# Allegro board com_v1_p3.brd (continued)
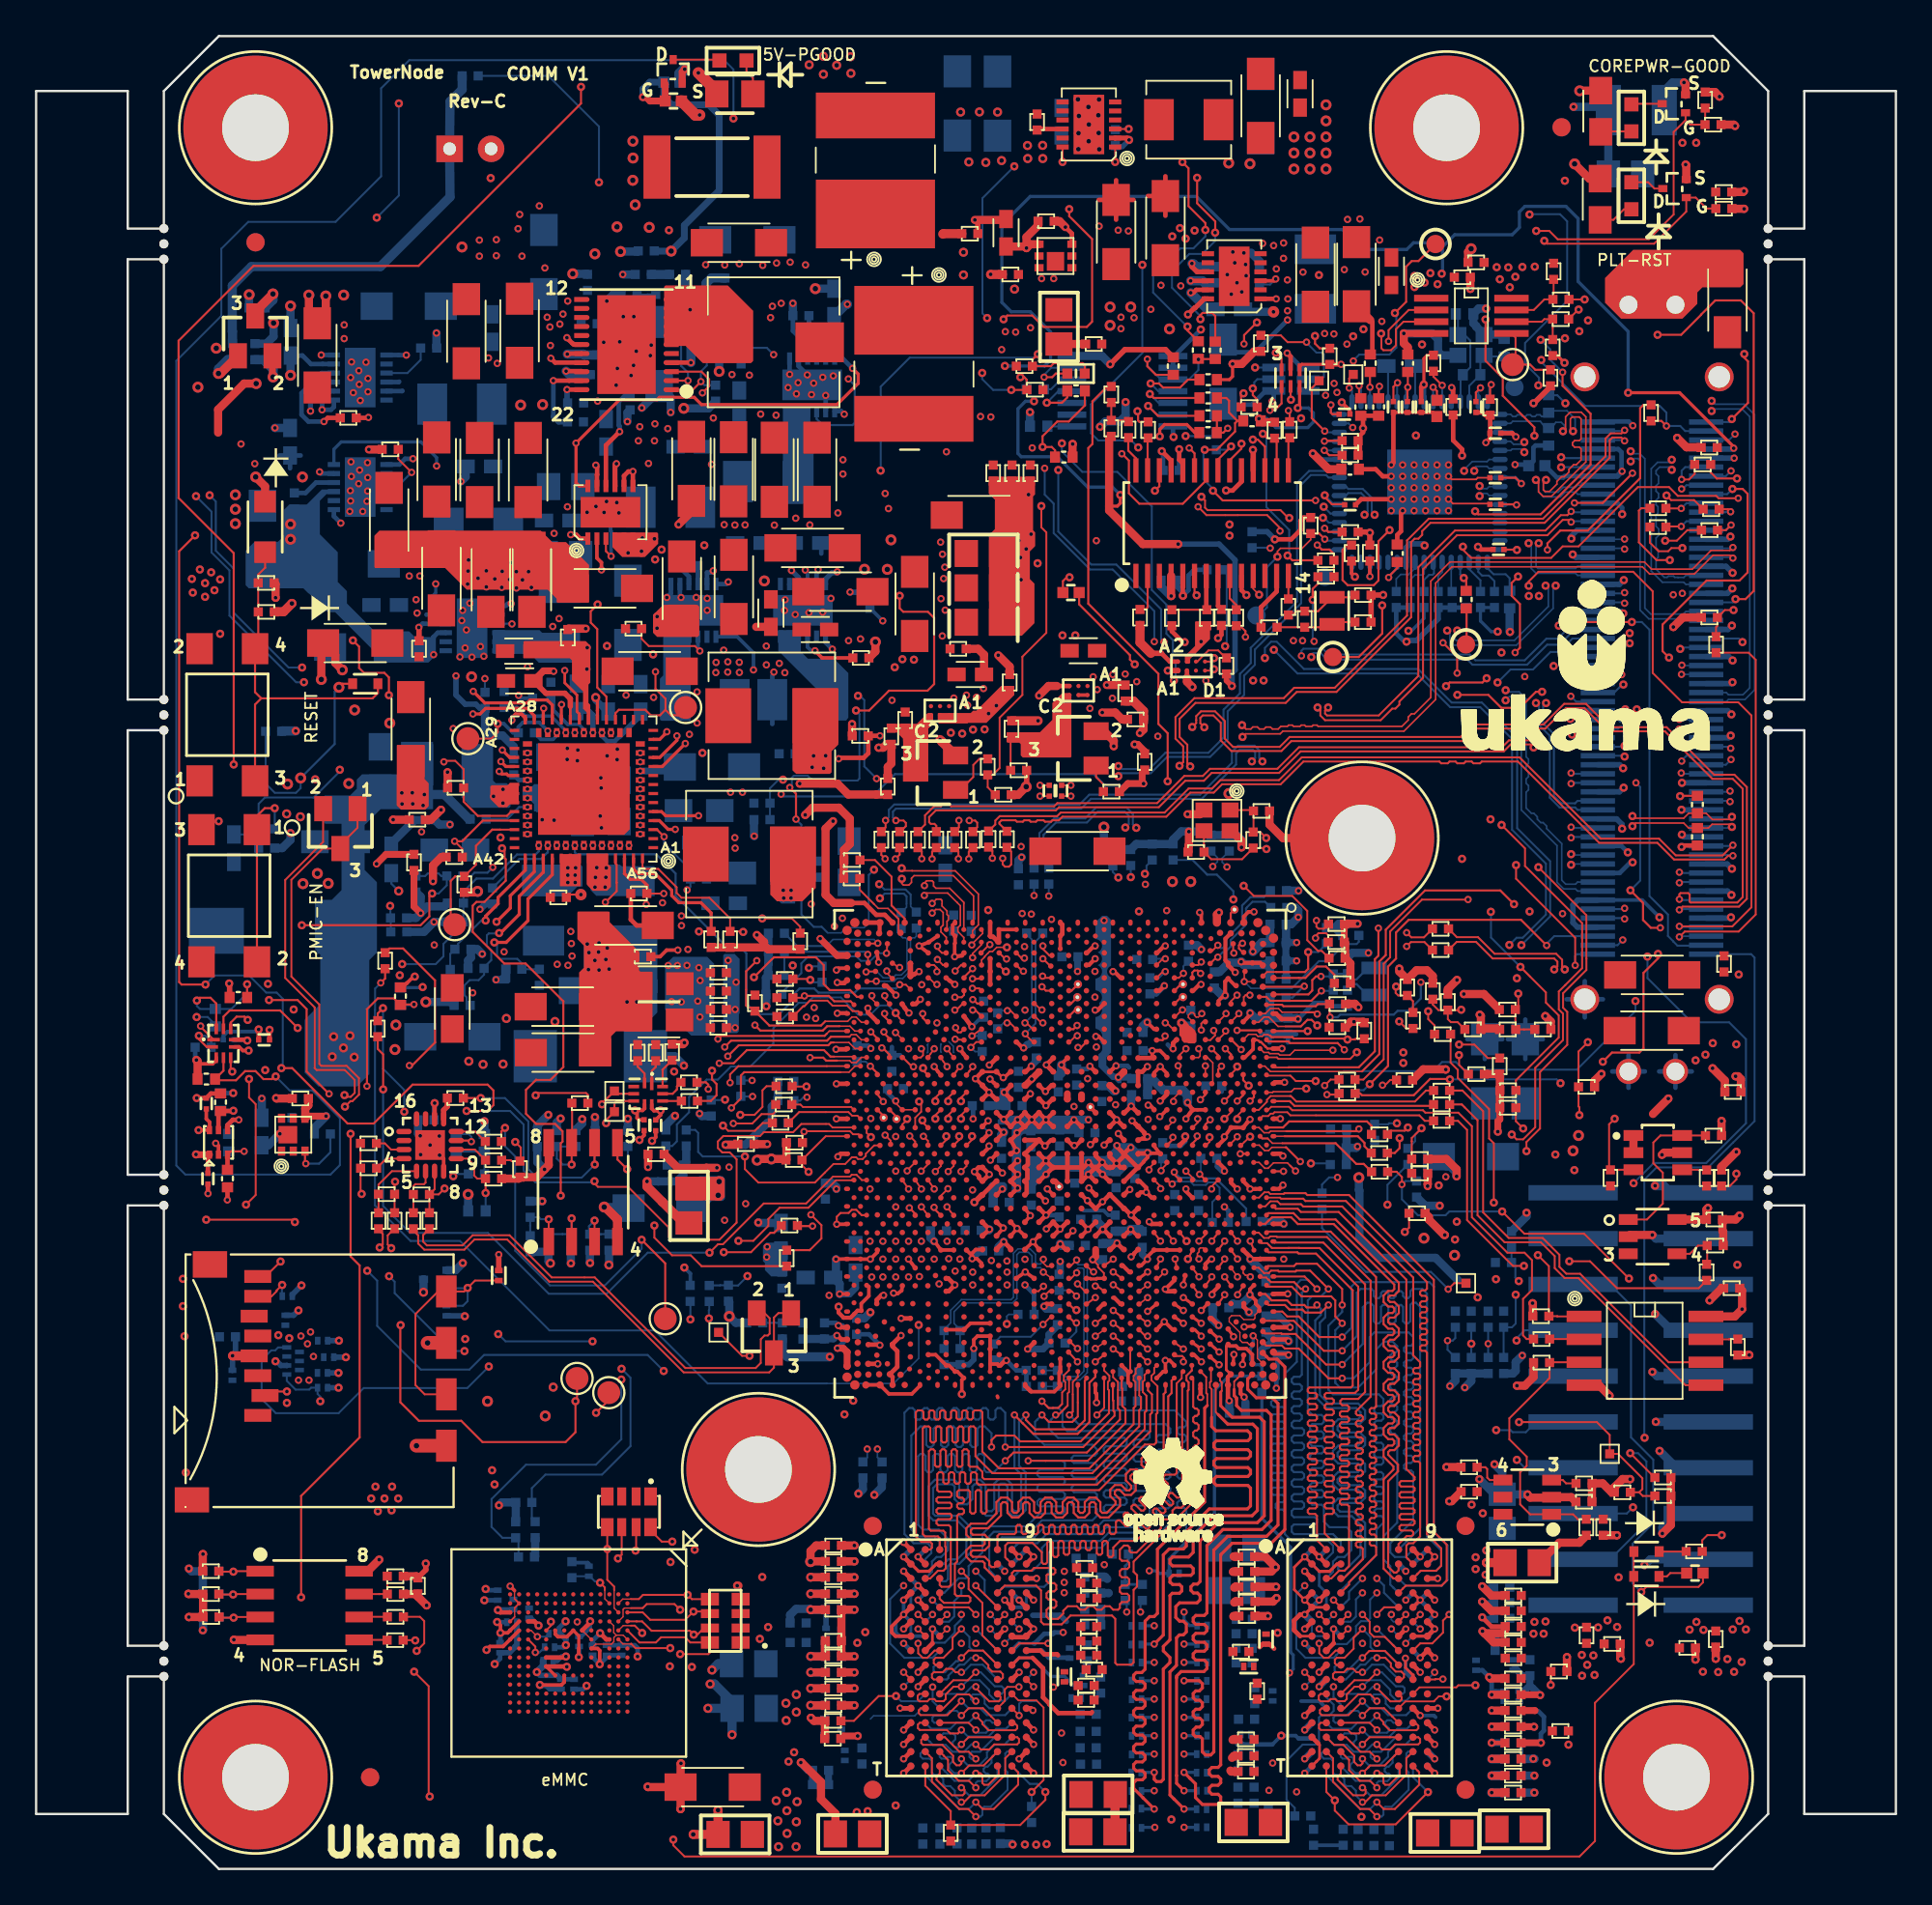
[diagram p0: board, top side]
## Routing (per net, layer and track width the routed paths; a pad name or vN(x,y) marks a point on that pad's centre or on a via; arc(x,y) is an arc through that point) (continued)
  BOTTOM w0.457: R10809.1 13.64,56.59 14.1,57.05 v1(14.1,57.42) ; R3L12.2 37.6,84.76 37.85,84.51 37.85,84.05 37.85,84.05 v5(37.85,83.01) ; C4L4.2 v5(14.1,82.8)
  BOTTOM w0.508: v2(63.98,87.37) 64.9,86.46 C2L16.2 ; v2(44.95,86.73) 44.95,86.73 44.88,86.73 C3L5.2
  vias: v1(25.73,57.17) v2(21.06,70.36) v2(21.11,69.62) v3(27.23,59.86) v3(27.23,59.36) v3(29.35,56.74) v3(30.35,56.74) v3(31.35,56.74) v3(31.85,56.74) v3(33.48,59.86) v3(33.48,59.36) v4(54.94,95.54) v4(54.95,94.81) v4(55.78,95.54) v4(55.78,94.81) v5(33.07,95.78) v5(33.08,94.84) v5(33.07,93.61) v5(33.2,92.25) v5(33.98,91)
V5_A_PGOOD: length 30.4
  TOP w0.119: U2A2.3 36.87,83 37.29,82.58 37.29,82.19 v2(36.92,81.82)
  TOP w0.381: v1(33.63,98.22) 33.8,98.22 34.02,98 R11382.2 34.86,98.94 Q138.G
  L8_SIG4 w0.119: v5(35.19,89.68) 35.19,82.4 35.77,81.82 v2(36.92,81.82)
  BOTTOM w0.381: R10709.2 34.27,89.68 v5(35.19,89.68) 35.92,90.41 35.92,91.11 37.85,93.04 37.85,97.22 37.28,97.79 35.22,97.79 34.79,98.22 C4747.1 34.01,99.04 33.63,98.66 v1(33.63,98.22)
V12_A: length 23.8
  TOP w0.254: v2(28.53,83.74) 28.76,83.5 U2A2.19 ; v2(29.42,84.88) 29.54,84.76 29.54,84.74 29.7,84.58 29.72,84.58 29.8,84.5 U2A2.17 ; C1A2.1 18.39,80.44 v2(18.42,80.46) ; 64.05,88.99 v2(64.05,88.99)
  TOP w0.279: v2(32.16,77.9) 32.08,77.82 U2B1.9 ; U3A3.9 64.33,88.54 64.05,88.81 v2(64.05,88.99)
  TOP w0.457: v1(34.41,69.42) 35.01,69.42 35.23,69.2 C4P19.1
  BOTTOM w0.254: C3L6.1 41.94,85.26 42.75,84.45 U3L1.9 ; v2(22.03,67.31) 22.03,68.25 22.01,68.27 22.26,68.53 22.7,68.53 U4M3.9 ; U3M2.9 36.18,71.64 35.78,72.04 C2B11.1
  BOTTOM w0.279: U3M1.9 42.25,71.59 v2(41.86,71.98) ; v2(15.21,80.81) 15.21,81.71 15.92,82.42 U4L1.9
  BOTTOM w0.305: v2(45.1,70.78) 45.11,70.77 C2B12.1
  BOTTOM w0.457: v2(33.56,80.99) 34.53,81.96 C3L14.1 35.17,81.56 v2(35.17,80.74) ; C3L15.1 32.77,80.73 v2(32.77,80.23) ; v2(41.94,86.79) C3L6.1
  BOTTOM w0.508: C2L15.1 64.3,88.82 64.15,88.97 64.07,88.97 v2(64.05,88.99)
  vias: v1(34.3,72.59) v1(34.41,68.78) v1(34.66,73.13) v1(37.03,73.37) v1(62.96,90.5) v1(63.39,90.96) v1(63.7,90.37) v1(64.2,90.82) v2(17.07,85.59) v2(17.07,84.83) v2(25.07,83.76) v2(25.55,83.46) v2(28.32,86.02) v2(28.47,85.47) v2(28.5,84.45) v2(29.02,85.63) v2(29.2,86.19) v2(29.46,86.91) v2(40.26,88.89) v2(40.7,85.99) v2(40.8,86.62) v2(41.03,89.02) v2(41.29,86.79) v2(41.79,89.07) v4(51.23,97.39) v4(51.69,94.62) v4(52.27,97.4) v4(52.63,94.6) v4(53.28,97.39) v4(53.5,94.7) v5(14.1,74.54) v5(14.1,73.71) v5(14.76,77.16)
VBAT: length 83.8
  TOP w0.229: U3C1.P22 61.95,42.1 61.72,42.34 v2(61.62,42.34)
  TOP w0.457: R4A15.1 78.23,48.77 v1(78.74,49.28) ; v1(79.12,48.5) 80.23,48.5 R4A14.1
  TOP w0.508: CR1L1.3 12.14,86.32 v5(13.13,87.31)
  L7_PWR2 w0.254: 62.82,43.97 62.77,43.97 61.62,42.82 v2(61.62,42.34)
  L7_PWR2 w0.305: v2(37.43,77.86) 38.48,76.8 47.79,76.8 50.86,73.73 50.86,70.75 52.18,69.44 54.79,69.44 57.89,66.33 57.89,56.19 60.52,53.56 61.46,53.56 63.04,51.98 63.04,48.02 62.11,47.08 62.11,45.98 62.31,45.78 62.31,45.5 62.82,44.99 62.82,43.97
  L8_SIG4 w0.254: 62.07,45.89 61.5,45.89 60.9,45.29 60.9,44.2 61.62,43.47 61.62,43.23 ; 62.95,45.96 67.56,45.96
  L8_SIG4 w0.381: 61.62,43.23 v2(61.62,42.34) ; 78.74,48.88 78.22,48.37 72.24,48.37 71.93,48.06 69.66,48.06 67.56,45.96
  L8_SIG4 w0.457: v1(78.74,49.28) 78.74,48.88 v1(79.12,48.5)
  BOTTOM w0.508: C4A10.1 13.13,86.97 v5(13.13,87.31)
  vias: v5(17.05,87.24)
VCC_DIF: length 32.7
  TOP w0.254: U2B1.1 30.58,73.75 30.15,73.75 29.93,73.96 29.63,73.96 v2(29.63,73.96)
  L3_SIG1 w0.178: v2(29.63,73.96) 32.2,73.96 38.17,79.93 44.08,79.93 v2(44.78,80.64)
  L8_SIG4 w0.178: v3(27.23,61.86) 27.23,65.97 29.63,68.37 v2(29.63,73.96)
  BOTTOM w0.254: v2(44.78,80.64) 44.61,80.81 U3L1.1
VCC_DIO: length 42.9
  TOP w0.178: U2B3.A32 26.24,61.61 v2(25.83,62.02) ; U2B1.12 30.1,76.66 29.92,76.84 v2(29.92,79.04) 32.33,81.44 34.41,81.44 34.54,81.58 36.47,81.58 36.87,81.17 44.38,81.17 45.56,82.35 45.56,82.86 v2(45.24,83.18)
  L8_SIG4 w0.178: v2(29.92,79.04) 28.77,77.89 28.77,75.21 29.16,74.82 29.16,70.32 26.1,67.27 26.1,64.62 26.81,63.91 26.81,63 v2(25.83,62.02)
  BOTTOM w0.254: v2(45.24,83.18) 44.7,83.72 U3L1.12
VCC_S: length 24.2
  TOP w0.203: U3C1.P26 61.95,40.09 62.28,39.65 U3C1.P27 62.28,39.67 61.63,39.67 v2(61.59,39.71) 61.59,39.44 61.36,39.21 61.36,39.18 U3C1.U29
  TOP w0.254: U3C1.AD29 U3C1.AD30 ; U3C1.AD29 U3C1.AC29 ; U3C1.AD29 U3C1.AF29 56.34,38.88 ; U3C1.AD29 U3C1.AD27 ; U3C1.AF27 56.34,39.64 v2(55.96,39.26) ; v2(55.96,39.26) 55.58,39.64 U3C1.AG27 ; v2(55.96,39.26) 56.33,38.88 56.34,38.88 ; v2(55.96,39.26) 55.59,38.88 U3C1.AG29 ; U3C1.AC29 U3C1.AC30 57.94,38.13 v2(58.31,38.5) ; U3C1.AC29 58.04,38.88 v2(58.32,39.16) 58.6,38.88 58.7,38.88 ; U3C1.AC29 U3C1.AC27 ; v2(59.08,39.17) 59.36,38.88 U3C1.Y29 59.64,38.88 v2(59.87,39.11) ; v2(59.08,39.17) 58.72,39.53 U3C1.AA27 ; v2(59.08,39.17) 58.8,38.88 U3C1.AA29 ; U3C1.V27 60.28,39.52 v2(59.87,39.11) ; U3C1.V27 60.63,39.99 v2(60.66,39.99) ; U3C1.V27 61.04,38.88 61.05,38.88 ; U3C1.V27 59.9,40.03 v2(59.9,40.1) ; 61.05,38.88 60.29,38.13 U3C1.V30 ; 61.05,38.88 U3C1.U29 ; v2(59.87,39.11) 60.1,38.88 U3C1.V29 ; v2(59.87,39.11) 59.5,39.48 U3C1.Y27 ; 56.34,38.88 v2(55.96,38.5) 55.59,38.13 U3C1.AG30 ; v2(58.31,38.5) 58.7,38.88 ; v2(58.31,38.5) 58.68,38.13 U3C1.AA30 ; U3C1.U27 61.09,39.67 61.55,39.67 v2(61.59,39.71) ; 58.7,38.88 U3C1.AA29 ; U3C1.AA29 58.72,38.88 v2(59.1,38.5) 59.47,38.13 U3C1.Y30
  TOP w0.457: v2(35.6,74.52) 36.31,75.24 C2B2.1
  BOTTOM w0.114: 37.52,75.48 37.16,75.48
  BOTTOM w0.457: 37.16,75.48 L3M2.2
  vias: v2(30.54,51.27) v2(30.61,49.85) v2(30.63,50.79) v2(30.96,50.36) v2(31.19,51.33) v2(31.17,50.83) v2(31.19,49.83) v2(31.57,50.41) v2(31.65,51.05) v2(31.75,49.88) v2(32.75,48.06) v2(33.29,48.06) v2(38.13,74.52) v2(38.72,74.5) v2(39.29,74.5) v2(40.91,74.49) v2(42.09,74.87) v2(42.87,74.5) v2(44.43,75.17)
VCCCOREE1VIDSIOGT_1P03_OBS_TP: length 0.4
  TOP w0.229: U3C1.AA22 TP3C2.1
VCCRAMCPU0SI1GT_1P03_OBS_TP: length 0.5
  TOP w0.305: TP3C1.1 56.69,37.89 56.46,38.13 U3C1.AF30
VDDQ: length 129.2
  TOP w0.152: 71.9,12.5 v2(71.9,13.3) ; v2(49.67,13.3) 49.67,13.28 49.67,13.27 49.67,12.5 ; U3C1.F49 65.95,28.98 65.95,27.67 U3C1.F52 ; v2(75.88,11.68) 75.88,11.16 76.3,10.74
  TOP w0.203: U27.K8 76.3,10.74 ; U3C1.C51 67.4,28.52 67.07,28.85 66.64,28.85 66.49,28.99 66.15,28.99 U3C1.F49
  TOP w0.229: U3C1.F53 66.04,26.84 66.04,27.26 66.04,27.26 U3C1.F52 ; 47.46,27.27 U3C1.BD53 ; v2(62.58,32.14) 63.08,32.64
  TOP w0.254: U27.F1 v2(70.3,13.3) ; U27.D9 v2(77.5,14.9) ; U37.R1 v2(48.07,6.1) ; U37.H9 55.66,12.1 55.87,11.9 56.57,11.9 56.63,11.84 ; U3C1.BB46 v2(47.94,30.52) ; v2(70.3,16.5) 70.7,16.1 U27.C1 ; v2(54.47,6.1) U37.R9 ; v2(46.96,31.8) 46.84,31.8 46.59,31.54 U3C1.BF44 ; U3C1.F53 66.05,26.03 v2(66.12,25.96) ; U3C1.BG51 v2(46.64,28) ; v2(67.22,30.87) 66.92,31.16 U3C1.D44 ; U3C1.AD38 57.06,34.34 v2(56.75,34.64) 56.45,34.34 U3C1.AF38 ; U37.C9 55.44,16.1 v2(55.44,16.1) ; U37.N1 v2(48.07,7.7) ; U37.K2 v2(48.87,10.1) ; v2(54.47,17.3) U37.A8 ; U3C1.A48 69.31,29.35 v2(69.4,29.26) ; v1(80.14,13.95) 80.65,13.44 C221.1 ; U3C1.AV41 50.55,32.74 v2(50.91,32.37) 50.56,32.02 U3C1.AV42 ; U37.K8 v2(54.47,10.9) ; v2(62.58,32.14) 62.69,32.02 U3C1.M42 ; U3C1.AK38 54.01,34.38 v2(53.62,34.77) 53.22,34.37 U3C1.AM38 ; v2(65.53,30.13) 65.14,30.52 U3C1.H46 ; U3C1.V38 60.25,34.34 v2(59.9,34.69) 59.54,34.34 U3C1.Y38 ; U37.B2 v2(48.87,17.3) ; U27.N9 v2(77.5,7.7) ; U27.G7 v2(75.9,13.3) ; U27.A8 v2(76.7,17.3) ; U37.G7 v2(53.67,13.3) ; 71.9,12.5 71.9,12.5 U27.H2 ; U37.F1 v2(48.07,13.3) ; U27.E9 v2(77.5,14.1) ; U37.A1 v2(48.07,18.1) ; 47.46,27.27 U3C1.BD52 47.72,27.83 47.72,28.71 47.45,28.97 U3C1.BD49 47.45,29.09 v2(47.93,29.57) ; U27.R1 v2(70.3,6.1) ; U37.E9 v2(54.47,14.9) ; U37.H2 49.67,12.5 ; U37.C1 v2(48.07,16.5) ; v2(77.5,11.7) U27.H9 v2(76.7,11.7) ; U27.B2 71.5,16.9 v2(71.1,17.3) U27.A1 ; U27.C9 v2(77.67,16.1) ; U3C1.BJ48 44.63,29.35 44.41,29.57 v2(44.38,29.57) ; U27.R9 v2(77.5,6.1) ; U37.D2 v2(48.87,15.7) ; U27.K2 v2(71.1,10.1) ; v2(55.27,7.7) U37.N9 ; U27.D2 v2(71.1,14.9) ; U37.D9 v2(55.27,14.9) ; U27.N1 v2(70.3,7.7) ; 63.08,32.64 U3C1.M41 ; R424.2 80.67,6.99 v1(80.66,6.99)
  TOP w0.381: v1(45.53,7.37) 44.74,7.37 C268.1
  TOP w0.457: C184.1 80.6,10.56 v1(80.53,10.63) ; C167.1 v1(80.66,9.66) ; C168.1 v1(45.34,16.17) ; v1(68.74,15.02) 68.54,14.82 C228.1 ; C230.1 80.65,14.31 v1(80.14,14.82) ; C213.1 v1(68.71,15.64) ; C232.1 80.65,15.16 v1(80.14,15.67) ; C208.1 v1(80.66,4.23) ; 81.4,13.07 80.26,13.07 ; 80.26,13.07 80.77,12.56 C210.1 ; 80.26,13.07 v1(80.15,13.18) ; v1(45.34,14.37) C180.1 44.62,14.37 C269.1 44.62,11.78 C169.1 v1(45.34,11.78) ; C3M12.1 39.91,68.85 ; C185.1 v1(80.66,5.17) ; C209.1 68.1,17.32 v1(68.69,16.72) 68.45,16.48 C212.1 ; C177.1 v1(45.34,10.01) ; v1(45.34,10.9) C170.1 ; C222.1 v1(80.66,7.89) ; C171.1 v1(45.34,17.05) ; C176.1 v1(80.66,6.1) ; C189.1 v1(45.34,9.07) ; C236.1 v1(45.34,15.25) ; C235.1 v1(68.26,14.02) ; C172.1 v1(45.34,17.93) ; C211.1 v1(80.66,8.78)
  TOP w0.508: v1(80.37,16.98) 80.37,16.98 80.38,16.98 C181.2
  BOTTOM w0.086: v2(66.12,25.96) 66.12,25.85
  BOTTOM w0.152: U30.E9 U30.D9 ; 55.27,12.5 54.47,12.5
  BOTTOM w0.203: 75.88,10.92 v2(75.88,11.68)
  BOTTOM w0.254: U30.A8 49.27,17.7 v2(48.87,17.3) ; v1(80.14,15.67) 80.19,15.62 C292.1 ; 54.47,12.5 U30.H2 ; C294.1 80.19,13.89 v1(80.14,13.95) ; R270.2 80.33,13 v1(80.15,13.18) ; v2(48.07,16.5) U37.C1 v2(48.87,15.7) 48.47,15.3 U30.D9 ; v2(75.9,14.9) U24.D2 ; U30.D2 v2(54.47,14.9) ; v2(70.3,12.5) 70.7,12.1 U24.H9 ; v2(70.3,16.5) U27.C1 ; U37.C9 55.44,16.1 v2(55.44,16.1) ; C293.1 80.19,14.76 v1(80.14,14.82) ; U30.G7 49.67,13.3 v2(49.67,13.3) ; v2(55.27,7.7) U37.N9 ; U30.A1 v2(54.47,17.3) U30.B2 ; 55.27,12.5 55.33,12.5 55.87,13.04 56.36,13.04 56.43,13.11 v2(56.91,13.11) ; v2(48.07,12.5) U30.H9 ; v2(48.87,10.1) U37.K2 ; U27.N9 v2(77.5,7.7) ; v2(54.47,6.1) U37.R9 54.94,6.5 ; U24.H2 v2(76.7,11.7) ; U27.K8 75.88,10.92 ; v2(71.9,13.3) U24.G7 ; R422.1 80.85,9.85 v1(80.66,9.66) 80.66,10.5 v1(80.53,10.63) 80.15,11.01 R269.1 ; U24.B2 76.3,16.9 v2(76.7,17.3) 77.1,17.7 U24.A1 ; U24.E9 v2(71.1,14.9) U24.D9 ; U24.A8 v2(71.1,17.3) ; U24.F1 v2(77.5,14.1) ; U27.C9 v2(77.67,16.1) ; v2(48.07,7.7) U37.N1 ; U37.K8 v2(54.47,10.9)
  BOTTOM w0.305: 57.09,13.72 56.75,14.06 55.23,14.06
  BOTTOM w0.381: C177.1 v1(45.34,10.01) ; C2N37.1 67.9,28.77 68.13,29.01 68.24,29.01 68.57,29.34 ; C3N31.1 44.19,29.38 v2(44.38,29.57) ; v1(45.34,14.37) C180.1 44.61,14.36 R615.1 ; U27.R1 v2(70.3,6.1) ; C265.1 43.92,4.68 C271.1 ; C170.1 v1(45.34,10.9) ; C168.1 v1(45.34,16.17) ; C189.1 v1(45.34,9.07) ; v2(71.1,10.1) U27.K2 ; C236.1 v1(45.34,15.25) ; U27.R9 v2(77.5,6.1) ; C295.1 v1(80.66,6.99) ; C169.1 v1(45.34,11.78) ; U27.N1 v2(70.3,7.7)
  BOTTOM w0.457: C2N39.1 66.12,25.28 66.12,25.85 ; C3N31.1 43.68,29.38 R3N26.2 ; v1(46.23,30.86) 45.9,30.53 C3N30.1 ; v2(65.53,30.13) 65.2,30.46 C2N33.1 ; v2(59.9,34.69) 59.13,34.69 C2N28.1 ; v2(53.62,34.77) 53.34,34.49 C3N27.1 ; C2N32.1 67.35,30.87
  BOTTOM w0.508: C185.1 v1(80.66,5.17) ; C208.1 v1(80.66,4.23) ; C2N36.1 68.57,29.34 69.32,29.34 v2(69.4,29.26) ; R4M9.2 23.99,58.2 22.63,59.56 v2(21.52,59.56) ; 67.35,30.87 v2(67.22,30.87) ; C2N27.1 56.83,34.56 v2(56.75,34.64) ; C176.1 v1(80.66,6.1)
  vias: v1(45.48,3.15) v1(46.08,3.2) v1(79.77,17.28) v1(79.77,16.62) v1(80.32,16.31) v1(80.36,17.66) v2(20.27,59.65) v2(20.28,59.03) v2(20.85,59.65) v2(20.87,59.04) v2(21.45,58.95) v2(37.68,66.88) v2(37.67,66.32) v2(38.1,67.56) v2(38.33,66.35) v2(38.33,66.91) v2(38.97,66.89) v2(38.97,66.33) v2(46.21,34.8) v2(46.31,32.81) v2(46.92,34.8) v2(46.92,33.8) v2(46.92,32.81) v2(47.63,34.8) v2(47.63,33.8) v2(47.63,32.81) v2(48.35,34.8) v2(48.35,32.81) v2(48.95,32.84) v2(49.06,34.8) v2(49.06,33.8) v2(49.77,33.8) v2(50.48,34.8) v2(50.57,33.83) v2(50.93,33.14) v2(51.19,34.8) v2(51.19,33.8) v2(56.82,7.53) v2(56.9,5.9) v2(56.98,16.5) v2(56.97,15.88) v2(56.97,15.31) v2(68.32,4.35) v2(68.52,5.87) v2(69.85,4.27) v3(29.85,62.99) v4(16.41,45.02) v4(16.49,46.14) v4(17.03,45.52) v4(17.39,46.19) v4(17.63,45) v4(41.55,9.19) v4(41.56,8.23) v4(42.13,9.67) v4(42.13,8.69)
VDDQ_DIF: length 28.5
  L3_SIG1 w0.178: v3(27.23,60.86) 27.42,60.86 31.07,57.22 33.01,57.22 33.37,56.85 33.76,56.85 33.98,57.07 33.98,62.06 33.39,62.65 33.39,64.36 v2(32.69,65.06)
  L8_SIG4 w0.178: v2(32.69,65.06) 33.27,64.49 37.78,64.49 v2(39.75,66.47)
  BOTTOM w0.203: v2(39.75,66.47) 39.75,67.41 38.85,68.31 38.07,68.31 U3M2.1
VDDQ_DIO: length 29.1
  TOP w0.178: v2(25.67,60.84) 25.81,60.69 26.08,60.69 26.16,60.61 U2B3.A34
  L6_SIG3 w0.178: v2(38.36,71.34) 36.01,71.34 ; 29.51,71.34 28.7,72.15 v2(28.7,74.04)
  L6_SIG3 w0.203: 36.01,71.34 29.51,71.34
  L8_SIG4 w0.178: v2(25.67,60.84) 25,60.84 24.81,61.03 24.81,63.71 25.75,64.64 25.75,67.4 28.7,70.35 v2(28.7,74.04)
  BOTTOM w0.254: v2(38.36,71.34) 38.24,71.23 U3M2.12
ADT_THERMTRIP: length 31.7
  TOP w0.109: v1(26.55,40.3) 26.86,39.99 26.86,39.28 R11275.2 26.35,39.24 26.3,39.29 R11375.2
  L8_SIG4 w0.102: v1(26.55,40.3) 26.55,42.48 25.24,43.79 19.88,43.79 18.66,45.02 18.66,49.57 19.24,50.16 v1(20.29,50.16)
  BOTTOM w0.109: 24.2,54.7 23.68,54.18 R4M14.2 23.68,52.96 23.68,52.96 R4M17.1 23.68,52.39 22.57,51.28 22.57,50.59 22.14,50.16 20.29,50.16 v1(20.29,50.16)
  BOTTOM w0.119: v3(27.85,56.74) 27.85,56.41 27.67,56.23 26.64,56.23 25.31,54.9 24.4,54.9 24.2,54.7
BAT_D: length 2.7
  TOP w0.508: CR1L1.1 10.21,82.9 v5(10.11,82.9)
  BOTTOM w0.508: R1L1.2 10.88,83.66 10.61,83.66 10.11,83.15 v5(10.11,82.9)
CB_I2C_SCL_3P3: length 226.5
  TOP w0.119: R11374.2 24.64,42.73 v1(24.64,42.73) ; v1(31.03,25.29) 31.74,25.99 TP138.1 ; U304.6 30.95,39.06 v1(30.96,39.05) ; v2(66.03,79.86) 65.8,79.62 R625.2 65.43,79.62 R622.1
  L3_SIG1 w0.102: v1(61.3,88.92) 59.42,90.8 59.42,91.37 57.96,92.83 44.94,92.83 37.12,100.66 22.89,100.66 v1(20.1,97.87) ; v1(15.47,60.4) 15.47,58.14 17.49,56.12 17.49,53.98 22.2,49.27 22.2,45.12 21.14,44.07 15.35,44.07 14.09,42.81 14.09,37.95 13.84,37.69 13.84,35.69 17.46,32.07 19.06,32.07 19.7,31.42 23.92,31.42 24.81,32.31 24.81,35.64 27.39,38.22 30.13,38.22 v1(30.96,39.05) ; v1(61.07,78.8) 62.16,79.88 66.01,79.88 v2(66.03,79.86)
  L5_SIG2 w0.099: v1(76.46,79.46) 75.5,80.42 71.21,80.42 70.77,79.99 66.16,79.99 v2(66.03,79.86)
  L8_SIG4 w0.102: v1(76.46,79.46) 76.65,79.64 80.93,79.64 81.3,79.28 81.3,77.3 81.86,76.74 81.86,76.43 82.44,75.85 82.44,75.4 84.36,73.48 84.36,71.68 84.64,71.4 84.64,70.43 83.95,69.74 83.95,68.53 84.77,67.71 85.06,67.71 v2(85.17,67.6) ; v1(18.88,91.54) 19.04,91.38 19.04,74.8 18.01,73.78 18.01,65.53 15.47,62.99 v1(15.47,60.4) ; v1(30.96,39.05) 30.49,38.58 30.49,35.11 31.26,34.34 31.26,25.58 31.03,25.35 v1(31.03,25.29)
  BOTTOM w0.109: v1(20.1,97.87) 20.1,92.76 v1(18.88,91.54) ; R1B30.2 30.94,40 30.94,39.07 v1(30.96,39.05) 30.23,38.32 27.75,38.32 27.28,38.79 27.28,41.43 25.98,42.73 v1(24.64,42.73) ; v1(61.3,88.92) 61.3,84.03 58.46,81.19 58.46,79.58 58.85,79.19 60.69,79.19 v1(61.07,78.8) ; J20.35 85.27,67.71 v2(85.17,67.6)
CB_I2C_SDA_3P3: length 144.6
  TOP w0.119: R626.2 66.57,80.27 ; 66.57,80.27 66.11,80.73 66.11,81.38 65.95,81.54 R623.1 ; 66.57,80.27 66.44,80.14 66.44,79.68 65.43,78.67 v1(64.76,78.67) ; v1(25.99,41.08) 25.78,40.88 R11256.2 ; U304.5 32.22,39.33 v1(32.75,38.79) ; TP137.1 34.86,33.57 v1(33.56,34.88) ; v1(65.21,76.4) 65.75,75.86 v2(70.9,75.86)
  L3_SIG1 w0.102: v2(87.86,67.22) 87.01,68.07 84.09,68.07 82.64,69.53 74.08,69.53 70.33,73.29 70.33,75.29 v2(70.9,75.86) ; v2(46.57,60.44) 47.58,60.44 48.53,61.39 48.53,63.53 48.86,63.86 48.86,64.86 55.5,71.5 v1(55.5,72.38) ; v1(36.92,61.86) 36.92,61.82 37.19,61.56 37.19,54.82 35.53,53.16 34.11,53.16 v2(33.81,53.46) ; v1(32.75,38.79) 32.75,37.61 33.56,36.8 v1(33.56,34.88)
  L8_SIG4 w0.102: v1(55.5,72.38) 55.36,72.24 53.93,72.24 53.75,72.42 53.75,75.73 54.76,76.74 57.13,76.74 60.49,80.1 64.21,80.1 64.76,79.55 v1(64.76,78.67) ; v1(45.55,65.03) 44.93,65.03 42.82,62.92 37.02,62.92 36.92,62.82 v1(36.92,61.86) ; v1(32.75,38.79) 32.75,39.53 32.28,40 32.28,48.17 32.77,48.66 32.77,48.66 32.93,48.82 32.93,52.58 v2(33.81,53.46)
  BOTTOM w0.109: v2(46.57,60.44) 45.89,61.12 45.89,64.79 45.66,65.03 v1(45.55,65.03) ; v1(65.21,76.4) 65.21,76.5 64.69,77.03 64.69,78.6 v1(64.76,78.67) ; v1(25.99,41.08) 25.99,40.06 26.55,39.5 26.55,34.27 28.48,32.34 31.51,32.34 33.56,34.39 v1(33.56,34.88) ; v2(87.86,67.22) 87.85,67.21 86.55,67.21 J20.34 ; R1B29.2 32.79,38.83 v1(32.75,38.79)
DDI1_HPD: length 22.1
  TOP w0.102: v2(63.72,38.68) 64.08,38.32 U3C1.K30
  L8_SIG4 w0.102: v2(63.72,38.68) 63.72,38.33 65.72,36.33 72.24,36.33 77.5,31.06 77.5,30 v2(78.21,29.28)
  BOTTOM w0.109: R1A14.2 78.65,29.43 78.5,29.28 v2(78.21,29.28) 78.21,28.78 R1A15.1
DDR3_CMDPU: length 5.8
  TOP w0.119: v1(57.65,30.98) 57.56,30.98 U3C1.AD44
  L3_SIG1 w0.102: v1(57.65,30.98) 57.34,30.67 55.19,30.67 54.73,30.21 v1(53.79,30.21)
  BOTTOM w0.086: 53.79,30.63 53.79,30.63 53.9,30.74 R3N30.1
  BOTTOM w0.102: 53.79,30.63 v1(53.79,30.21)
DDR3_DQPU: length 3.9
  TOP w0.102: U3C1.AF45 56.22,30.6 v2(55.8,30.18)
  BOTTOM w0.102: R2N14.1 53.43,29.5 55.12,29.5 v2(55.8,30.18)
DDR3_DRAM_PWROK: length 92.3
  TOP w0.102: U3C1.AD42 57.38,32.02 v2(57.65,31.75)
  TOP w0.109: v1(11.8,43.79) 11.8,42.76 12.17,42.39 12.17,37.36 v1(11.63,36.82)
  TOP w0.119: v1(21.95,54.07) 21.79,53.92 21.79,52.8 21.3,52.31 v1(14.72,52.31)
  L3_SIG1 w0.086: 44.52,26.41 46.69,26.41 51.54,31.26 53.72,31.26
  L3_SIG1 w0.102: 44.52,26.41 36.25,26.41 33.98,24.13 13.94,24.13 11.63,26.43 v1(11.63,36.82) ; v1(14.72,52.31) 13.81,51.4 13.81,46.36 11.8,44.34 v1(11.8,43.79) ; v2(57.65,31.75) 57.06,31.75 56.09,32.72 54.95,32.72 54.95,32.73 54.54,32.73 54.33,32.51 54.33,31.87 53.72,31.26
  BOTTOM w0.102: v2(57.65,31.75) 57.33,32.07 C2N31.1
  BOTTOM w0.109: v1(21.95,54.07) 22.3,54.07 22.76,54.53 R4M12.1 22.45,55.04 22.31,55.18 21.7,55.18 21.56,55.04 R1P29.2
DDR3_MON1N: length 11.3
  TOP w0.086: U3C1.AF41 v2(55.81,33.08)
  BOTTOM w0.086: v2(55.81,33.08) 55.81,33.17 55.66,33.33 55.4,33.33 55.19,33.54 55.19,33.98 54.98,34.18 54.49,34.18 54.35,34.05 54.35,31.61 54.11,31.37 51.35,31.37 50.87,30.89 50.87,30.24 51.2,29.9 R3N27.2 R3N29.1
DDR3_MON1P: length 11.8
  TOP w0.086: U3C1.AF40 56.23,33.4 56.01,33.4 55.81,33.59 v2(55.81,33.79)
  BOTTOM w0.086: v2(55.81,33.79) 55.81,33.69 55.66,33.53 55.49,33.53 55.38,33.64 55.38,34.08 55.08,34.37 54.41,34.37 54.16,34.12 54.16,31.69 54.03,31.56 51.27,31.56 50.68,30.96 50.68,30.27 50.31,29.9 R3N27.1 R3N28.1
DDR3_MON2N: length 9.4
  TOP w0.102: U3C1.AD41 57.35,32.74 v2(57.66,33.04)
  BOTTOM w0.086: v2(57.66,33.04) 57.66,33.22 57.75,33.31 58,33.31 58.06,33.24 58.06,27.59 57.77,27.29 57.75,27.29 57.75,27.29 57,27.29 56.65,27.64 R2N13.2 56.59,27.63 R2N16.1
DDR3_MON2P: length 10.1
  TOP w0.102: U3C1.AD40 57.35,33.45 v2(57.66,33.76)
  BOTTOM w0.086: v2(57.66,33.76) 57.66,33.59 57.75,33.49 58.09,33.49 58.25,33.33 58.25,27.51 57.85,27.11 57.83,27.11 57.82,27.11 57.01,27.11 56.65,26.75 R2N13.1 56.59,26.75 R2N15.1
DDR3_ODTPU: length 1.9
  TOP w0.119: v2(57.65,30.27) 57.56,30.27 U3C1.AD45
  BOTTOM w0.102: R2N12.1 57.65,29.78 57.65,29.86 57.65,29.86 v2(57.65,30.27)
DDR3_REFN: length 15.9
  TOP w0.102: v2(55.82,32.3) 55.55,32.02 U3C1.AH42
  L3_SIG1 w0.086: 47.11,26.03 47.13,26.05 47.17,26.05 52.01,30.88 53.93,30.88 55.12,32.08 55.2,32.08 55.28,32.08 55.45,32.28 v2(55.82,32.3)
  L3_SIG1 w0.088: 47.11,26.03 46.21,25.14 46.21,23.43 v2(46.06,23.28)
  BOTTOM w0.091: R2C25.1 46.06,22.8 v2(46.06,23.28)
DDR3_REFP: length 15.5
  TOP w0.102: v2(55.86,31.74) 55.88,31.77 55.88,31.77 56.14,32.02 U3C1.AF42
  L3_SIG1 w0.086: 47.29,25.85 47.31,25.87 47.31,25.92 52.08,30.7 54,30.7 55.2,31.89 55.29,31.89 55.49,31.72 v2(55.86,31.74)
  L3_SIG1 w0.088: v2(46.62,23.28) 46.47,23.43 46.47,25.03 47.29,25.85
  BOTTOM w0.091: R2C26.1 46.62,22.82 v2(46.62,23.28)
DDR3_VCCA_PWROK: length 95.4
  TOP w0.102: U3C1.AB42 58.12,32.02 v2(57.71,32.43)
  TOP w0.381: R1P28.2 19.39,56.24 v2(18.87,55.72)
  L3_SIG1 w0.102: v2(18.87,55.72) 18.87,53.14 22.54,49.47 22.54,44.99 21.35,43.8 15.48,43.8 14.36,42.67 14.36,37.15 v1(18.35,33.16) ; v1(34.78,27.6) 35.64,26.74 46.58,26.74 51.56,31.72 52.76,31.72 53.36,32.32 53.36,33.91 53.73,34.28 56.85,34.28 57.18,33.94 57.18,32.96 v2(57.71,32.43)
  L8_SIG4 w0.119: v2(18.87,55.72) 21.94,58.79 21.94,59 22.24,59.31 22.96,59.31 23.9,58.36 v3(27.23,58.36)
  BOTTOM w0.109: v1(18.35,33.16) 18.9,32.61 18.9,30.1 21.32,27.68 24.01,27.68 24.82,28.49 33.89,28.49 v1(34.78,27.6)
DDR3_VREF: length 17.8
  TOP w0.254: v2(55.86,31.19) 55.98,31.31 U3C1.AF44
  L7_PWR2 w0.457: v2(55.86,31.19) 55.28,31.19
  L7_PWR2 w0.508: 55.28,31.19 47.7,31.19 44.8,28.29 44.08,28.29 v1(43.98,28.39)
  BOTTOM w0.457: C2N34.1 55.98,31.06 v2(55.86,31.19)
  BOTTOM w0.508: v1(43.98,28.39) 41.64,28.39 41.41,28.62 41.41,28.66 41.35,28.72 R3N24.1
DEV_OFF_N: length 1.9
  TOP w0.119: R2M54.2 71.66,78.37 v2(71.39,78.64)
  BOTTOM w0.109: v2(71.39,78.64) 71.39,78.63 U2M2.28
DONE_SIGNAL: length 65.8
  TOP w0.109: R10375.1 92.33,18.22 92.61,18.5 v1(93.41,18.5)
  L3_SIG1 w0.102: v2(94.14,79.54) 95.29,78.39 95.29,33.6 93.41,31.72 v1(93.41,18.5)
  BOTTOM w0.109: v2(94.14,79.54) 93.81,79.21 J20.118
ETH_RESET: length 7.4
  TOP w0.119: v2(71,73.39) 71.25,73.14 71.66,73.14 71.92,72.88 R2M26.2 71.92,71.63 R2M60.2
  L6_SIG3 w0.099: v2(71,73.39) 70.82,73.21 v2(68.39,73.21)
  BOTTOM w0.109: v2(71,73.39) 71.25,73.13 U2M2.17 ; R2M61.2 68.36,73.24 v2(68.39,73.21)
FPGA_CFG_INIT_B_R: length 34.2
  TOP w0.109: v2(79.35,53.74) 79.37,53.74 79.37,53.73 76.8,53.73 75.03,51.97 75.03,50.53 74.67,50.17 74.67,44.88 73.55,43.76 R2A20.2
  L8_SIG4 w0.102: v1(80.98,65.77) 80.98,59.1 81.62,58.47 81.62,57.5 80.97,56.85 80.97,55.35 v2(79.35,53.74)
  BOTTOM w0.109: v1(80.98,65.77) 81.7,66.49 82.95,66.49 83.92,67.46 84.39,67.46 85.14,68.21 J20.36
FPGA_SOC_IO_1_1P8: length 80.4
  TOP w0.109: v2(85.29,50.09) 85.29,51.61 82.01,54.89 v1(82.01,55.65) ; v1(78.76,65.08) 80.47,65.08
  TOP w0.119: 80.47,65.08 81.19,64.36 82.22,64.36 83.11,65.25 v1(83.45,65.25) ; v2(47.02,47.42) 47.02,47.24 47.29,46.96 U3C1.BD12 ; v2(77.96,67.97) 78.75,67.19 v2(78.75,66.29)
  L3_SIG1 w0.086: v2(47.02,47.42) 46.81,47.21 45.85,47.21 45.44,47.62 45.44,50.82 45.43,50.82 45.43,53.42 45.36,53.49
  L3_SIG1 w0.102: v1(51.92,63.16) 51.92,62.87 50.23,61.18 50.23,60.01 47.69,57.47 46.22,57.47 44.99,56.24 44.99,53.86 45.36,53.49
  L5_SIG2 w0.099: v2(77.96,67.97) 77.19,67.2 73.03,67.2 71.33,68.89 62.16,68.89 60.88,67.62 55.73,67.62 51.92,63.8 v1(51.92,63.16) ; v1(78.76,65.08) 78.75,65.09 v2(78.75,66.29)
  L8_SIG4 w0.102: v1(82.01,55.65) 82.01,56.04 84.34,58.37 84.34,64.99 83.92,65.41 83.61,65.41 v1(83.45,65.25)
  BOTTOM w0.109: v2(85.29,50.09) 85.29,50.61 85.39,50.71 J20.1
FPGA_SOC_IO_2_1P8: length 56.3
  TOP w0.119: R2M60.1 71.04,71.25 70.74,70.96 v1(70.74,70.35) ; R11501.2 57.8,70.1 60.62,67.29 60.62,67.04 v1(60.88,66.77)
  L3_SIG1 w0.102: v1(60.88,66.77) 60.88,68.43 61.77,69.32 70.22,69.32 70.82,68.72 v2(70.82,68.05) 71.7,68.05 75.51,64.24 77.08,64.24 82.03,59.29 88.5,59.29 89.17,58.62 89.17,56.59 90.13,55.63 91.3,55.63 91.44,55.49 91.44,54.3 91.3,54.15 90.58,54.15 v2(87.92,51.5)
  BOTTOM w0.109: v1(70.74,70.35) 70.74,68.13 v2(70.82,68.05) ; J20.2 87.63,51.21 v2(87.92,51.5)
FPGA_SOC_IO_3_1P8: length 85.8
  TOP w0.119: v2(46.26,46.4) 46.62,46.04 U3C1.BF14 ; v1(88.43,69.12) 84.58,69.12 v1(84.38,68.92)
  L3_SIG1 w0.086: 43.82,51.84 45.05,50.61 45.05,46.63 45.28,46.4 v2(46.26,46.4)
  L3_SIG1 w0.102: v1(50.69,62.98) 50.69,62.98 49.94,62.98 49.66,62.71 49.66,60.88 48.13,59.35 47.38,59.35 43.65,55.62 43.65,52 43.82,51.84
  L5_SIG2 w0.099: v1(50.69,62.98) 50.41,63.26 50.41,65.07 54.73,69.39 83.92,69.39 84.38,68.94 v1(84.38,68.92)
  BOTTOM w0.109: J20.62 92.52,51.18 90.95,51.18 90.73,51.41 90.73,51.42 90.43,51.72 90.43,52.9 89.4,53.93 89.4,68.69 88.98,69.12 v1(88.43,69.12)
FPGA_SOC_IO_4_1P8: length 77.6
  TOP w0.119: U3C1.BD16 47.29,45.14 46.92,45.51 v2(46.87,45.51) ; v2(83.75,73.12) 83.75,73.48 84.46,74.19 85.99,74.19 88.89,77.09 88.89,80.97 89.07,81.16 R2A24.1
  L3_SIG1 w0.102: v2(46.87,45.51) 46.62,45.75 46.62,46.55 46.28,46.89 45.66,46.89 45.24,47.31 45.24,50.73 45.24,50.74 45.24,53.26 43.91,54.59 43.91,55.56 47.44,59.09 48.22,59.09 49.92,60.79 49.92,61.54 50.02,61.64 v1(51.32,62.93)
  L5_SIG2 w0.099: v1(51.32,62.93) 51.32,63.53 56.94,69.16 79.65,69.16 80.69,68.11 84.92,68.11 85.34,68.53 85.34,71.54 v2(83.75,73.12)
FPGA_SOC_IO_5_1P8: length 118.9
  TOP w0.119: v1(64.8,90.85) 64.8,91.24 63.86,92.18 63.86,94.28 63.52,94.61 v1(63.52,94.61) ; v2(83.71,51.19) 82.29,52.61 76.06,52.61 75.36,51.91 75.36,50.46 74.92,50.02 74.92,44.51 73.91,43.5 v1(73.9,43.5) ; v1(63.81,85.5) 63.81,85.28 R11502.2
  L5_SIG2 w0.099: v2(83.71,51.19) 85.41,51.19 86.79,49.81 93.41,49.81 94.23,49 94.68,49 95.01,49.32 95.01,82.99 94.18,83.83 94.18,85.64 86.83,92.99 65.86,92.99 64.23,94.61 v1(63.52,94.61)
  BOTTOM w0.109: v1(73.9,43.5) 73.57,43.17 73.28,43.17 R2A23.2 ; v1(63.81,85.5) 63.78,85.5 61.9,87.38 61.9,88.33 63.41,89.83 64.13,89.83 64.8,90.5 v1(64.8,90.85) ; J20.3 84.13,51.71 83.71,51.29 v2(83.71,51.19)
